# Allegro board hdk2_0-hmd-2-pvt-l8-0526p1530.brd (continued)
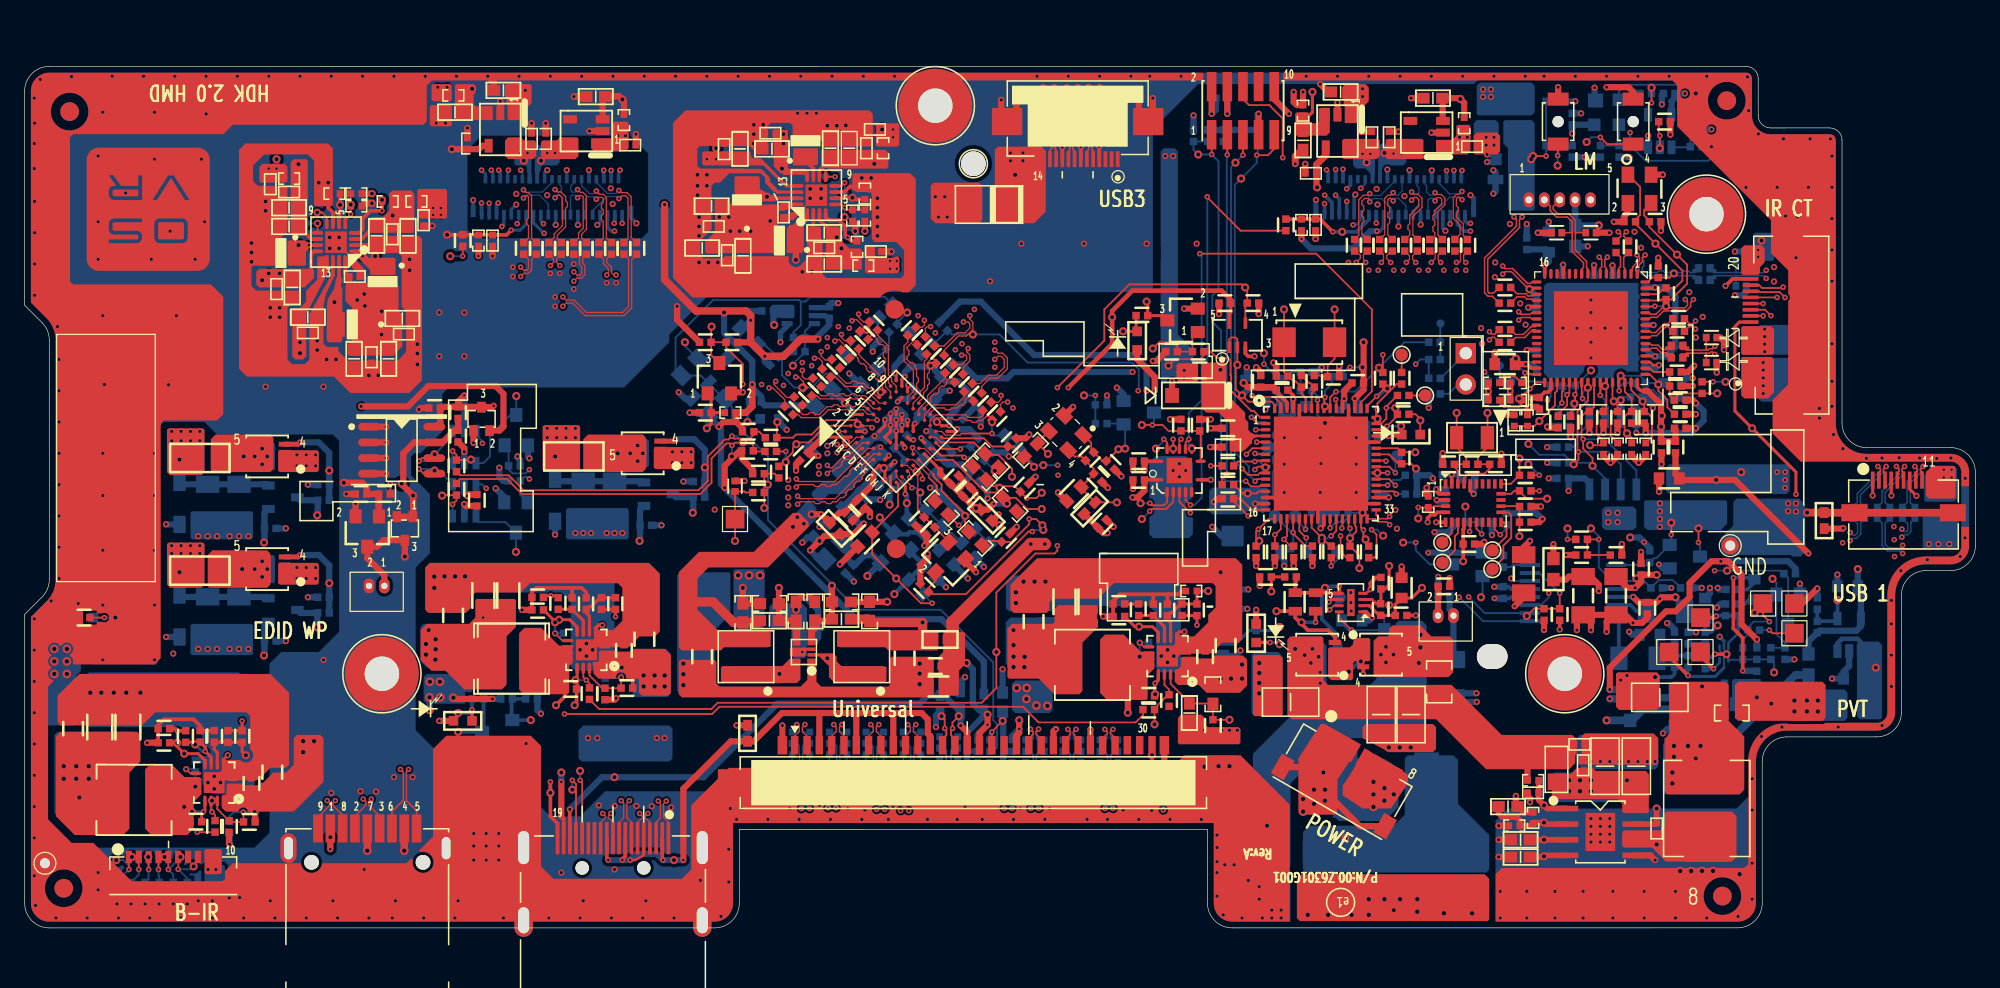
[diagram p0: board, top side]
## Routing (per net, layer and track width the routed paths; a pad name or vN(x,y) marks a point on that pad's centre or on a via; arc(x,y) is an arc through that point) (continued)
  BOTTOM w0.127: R637.2 85.38,14.34 85.12,14.09 85.12,13.34 85.25,13.21 85.25,12.83 85.12,12.71 85.12,12.32 85.25,12.2 85.25,11.82 85.12,11.69 85.12,11.31 85.47,10.97 85.82,10.97 v2(86.02,11.17)
SSTXP_C_UP_A: length 3
  TOP w0.127: v2(85.33,16.12) 85.12,15.92 85.12,15.72 85.5,15.35 J1.24
  BOTTOM w0.127: v2(85.33,16.12) 85.12,15.92 85.12,15.39 85.25,15.26 R616.1
SSTXP_C_UP_B: length 67.2
  TOP w0.127: v2(24.56,10.33) 24.76,10.13 24.76,9.95 23.81,9 J4.9
  L6_IN3 w0.117: v2(24.56,10.33) 24.76,10.13 24.76,9.84 25.16,9.44 31.98,9.44 33.63,11.09 56.03,11.09 56.74,10.38 81.2,10.38 82.42,11.6 84.3,11.6 85.12,12.42 85.12,12.75 85.24,12.87 v2(85.72,12.87)
  BOTTOM w0.127: R637.1 v2(85.72,12.87)
SWIRE_COM_L: length 25.9
  TOP w0.152: U52.9 23.77,57.19 v3(23.77,57.19)
  L3_IN1 w0.152: v3(23.77,57.19) 22.98,57.98 22.98,58.59 23.24,58.84 24.13,58.84 25.52,57.45 31.92,57.45 32.94,56.43 36.19,56.43 37.72,57.96 38.73,57.96 39.24,58.46 39.24,60.5 v2(40.26,61.51)
  BOTTOM w0.152: v2(40.26,61.51) 40.4,61.37 J20.12 ; TP50.1 v3(23.77,57.19)
SWIRE_COM_R: length 48.6
  TOP w0.152: U62.9 v2(65.78,60.98)
  L3_IN1 w0.152: v2(65.78,60.98) 66.64,60.98 67.38,60.24 69.62,60.24 72.79,57.07 101.57,57.07 101.93,57.42 107.01,57.42 108.44,58.84 v2(108.44,60.04)
  BOTTOM w0.152: v2(65.78,60.98) 65.78,60.98 TP110.1 ; v2(108.44,60.04) 108.8,60.4 J71.12
SYNC: length 93.5
  TOP w0.254: v2(143.76,35.2) 143.76,37 v1(140.2,40.56) 138.81,41.95 138.81,48.81 139.18,49.18 J68.11
  L4_IN2 w0.254: v2(92.41,9.57) 94.32,11.47 98.55,11.47 99.44,12.36 105.79,12.36 108.78,15.36 114.47,15.36 115.82,14.01 130.43,14.01 132.97,16.55 140.1,16.55 146.02,22.47 146.02,32.94 v2(143.76,35.2)
  BOTTOM w0.254: R1004.2 92.4,11.35 92.41,11.33 C1000.1 v2(92.41,9.57)
TEST: length 4.4
  TOP w0.152: R524.2 133.32,42.27 133.32,42.87 132.58,43.6 v1(132.58,44.11) 132.58,44.24 131.89,44.93 U46.49
TMDS1_CLK+: length 56.1
  TOP w0.104: U57.C1 67.41,39.38 66.8,38.78 66.14,38.78 v2(65.94,38.58)
  L3_IN1 w0.097: v2(71.09,9.51) 71.29,9.72 71.29,9.9 71.52,10.13 75,10.13 76.47,11.6 77.51,11.6 78.99,13.08 78.99,17.57 77.59,18.97 77.59,20.61 77.37,20.83 76.78,20.83 76.45,21.16 76.45,21.64 76.78,21.97 77.41,21.97 77.59,22.15 77.59,22.41 77.41,22.6 76.78,22.6 76.45,22.93 76.45,23.4 76.78,23.74 77.43,23.74 77.62,23.92 77.62,24.18 77.43,24.37 76.78,24.37 76.45,24.7 76.45,25.17 76.78,25.5 77.39,25.5 77.59,25.71 77.59,26 77.39,26.21 76.3,26.21 75.56,26.94 75.56,29.53 71.72,33.38 71.5,33.38 71.29,33.58 71.29,33.8 71.09,34.01 70.86,34.01 70.66,34.21 70.66,34.44 70.45,34.64 70.23,34.64 70.03,34.84 70.03,35.07 69.53,35.57 69.31,35.57 69.1,35.77 69.1,35.99 68.9,36.2 68.67,36.2 68.47,36.4 68.47,36.63 68.26,36.83 68.04,36.83 67.84,37.04 67.84,37.26 67.63,37.46 67.41,37.46 67.2,37.67 67.2,37.89 67,38.1 66.78,38.1 66.57,38.3 66.57,38.52 66.37,38.73 66.09,38.73 v2(65.94,38.58)
  BOTTOM w0.102: U6.2 71.09,11.04 71.09,11.03 ; U6.9 71.09,11.91 71.09,11.91
  BOTTOM w0.104: v2(71.09,9.51) 71.27,9.69 71.27,10.33 71.09,10.5 71.09,12.39 71.19,12.49 71.6,12.9 71.9,13.21 71.9,14.67 71.6,14.98 R625.1
TMDS1_CLK+_A: length 3.1
  TOP w0.104: v2(71.67,16.51) 71.67,16.5 71.87,16.3 71.87,15.93 71.5,15.56 J1.10
  BOTTOM w0.104: R606.1 71.79,15.89 71.89,16 71.89,16.28 v2(71.67,16.51)
TMDS1_CLK+_B: length 35.8
  TOP w0.104: J28.10 47.75,8.58 47.38,8.95 47.38,9.09 v2(47.58,9.29)
  L3_IN1 w0.097: v2(47.58,9.29) 47.38,9.49 47.38,10.28 47.53,10.44 47.53,10.73 47.38,10.89 47.38,11.48 47.58,11.69 47.8,11.69 48.01,11.89 48.01,12.11 48.21,12.32 48.44,12.32 48.64,12.52 48.64,12.75 50.64,14.75 52.29,14.75 54.73,17.19 69.47,17.19 70.03,16.62 70.03,16.4 70.24,16.19 70.46,16.19 70.66,15.99 70.66,15.77 70.87,15.56 71.09,15.56 71.3,15.36 71.3,15.13 71.5,14.93 71.72,14.93 71.93,14.72 71.93,13.61 71.7,13.38 v2(71.31,13.38)
  BOTTOM w0.104: v2(71.31,13.38) R625.2
TMDS1_CLK-: length 56.1
  TOP w0.104: U57.C2 67.51,39.84 66.7,39.03 66.14,39.03 v2(65.94,39.24)
  L3_IN1 w0.097: v2(65.94,39.24) 66.19,38.98 66.47,38.98 75.82,29.64 75.82,27.05 76.4,26.46 77.49,26.46 77.85,26.11 77.85,25.6 77.49,25.25 76.89,25.25 76.7,25.07 76.7,24.81 76.89,24.62 77.54,24.62 77.87,24.29 77.87,23.82 77.54,23.48 76.89,23.48 76.7,23.3 76.7,23.04 76.89,22.85 77.51,22.85 77.85,22.52 77.85,22.05 77.51,21.71 76.89,21.71 76.7,21.53 76.7,21.27 76.89,21.09 77.48,21.09 77.85,20.71 77.85,19.07 79.24,17.68 79.24,12.97 77.62,11.35 76.58,11.35 75.1,9.87 71.63,9.87 71.55,9.79 71.55,9.72 v2(71.75,9.51)
  BOTTOM w0.102: 71.35,11.04 71.35,11.04 U6.1 ; 71.35,11.92 71.36,11.91 U6.10
  BOTTOM w0.104: v2(71.75,9.51) 71.52,9.74 71.52,10.43 71.35,10.61 71.35,12.29 71.8,12.74 71.9,12.84 72.16,13.1 72.16,14.67 72.46,14.98 R607.2
TMDS1_CLK-_A: length 3.1
  TOP w0.104: v2(72.33,16.51) 72.12,16.3 72.12,15.93 72.5,15.56 J1.11
  BOTTOM w0.104: R607.1 72.25,15.89 72.15,16 72.15,16.32 v2(72.33,16.51)
TMDS1_CLK-_B: length 35.8
  TOP w0.104: J28.12 46.75,8.57 47.12,8.94 47.12,9.09 v2(46.92,9.29)
  L3_IN1 w0.097: v2(72.73,13.38) 72.39,13.38 72.18,13.58 72.18,14.83 69.57,17.44 54.63,17.44 52.19,15 50.54,15 47.12,11.59 47.12,9.49 v2(46.92,9.29)
  BOTTOM w0.104: v2(72.73,13.38) R626.2
TMDS1_DATA0+: length 56
  TOP w0.104: U57.D1 67.89,38.92 66.98,38.02 66.54,38.02 66.32,37.8 66.32,37.58 66.1,37.36 65.89,37.36 65.62,37.09 65.35,37.09 v2(65.15,36.89)
  L3_IN1 w0.097: v2(65.15,36.89) 65.35,37.09 65.69,37.09 65.9,36.89 65.9,36.66 66.1,36.46 66.32,36.46 66.53,36.25 66.53,36.03 66.73,35.83 66.96,35.83 67.16,35.62 67.16,35.4 67.37,35.19 67.59,35.19 67.79,34.99 67.79,34.77 68,34.56 68.22,34.56 68.43,34.36 68.43,34.13 68.63,33.93 68.85,33.93 69.35,33.43 69.35,33.21 69.55,33.01 69.78,33.01 70.36,32.42 70.36,32.16 69.72,31.52 69.73,31.05 70.06,30.71 70.53,30.71 70.99,31.17 71.25,31.17 71.44,30.99 71.44,30.73 70.91,30.2 70.91,29.73 71.25,29.4 71.72,29.4 72.24,29.93 72.5,29.93 72.68,29.75 72.68,29.49 72.22,29.03 72.22,28.53 72.57,28.18 73.07,28.18 73.63,28.74 73.89,28.74 74.08,28.55 74.08,28.28 73.63,27.83 73.63,27.27 75.5,25.4 75.5,19.31 77.29,17.52 77.29,13.84 74.44,10.99 70.02,10.99 69.39,10.36 69.39,9.86 v2(69.14,9.62)
  BOTTOM w0.102: U6.6 69.59,11.91 69.59,11.91 ; 69.59,11.03 69.59,11.04 U6.5
  BOTTOM w0.104: v2(69.14,9.62) 69.35,9.82 69.35,10.31 69.59,10.55 69.59,12.39 68.88,13.11 68.88,14.7 68.68,14.9 68.6,14.98 R623.1
TMDS1_DATA0+_A: length 3.1
  TOP w0.104: J1.7 68.5,15.56 68.87,15.93 68.87,16.3 68.67,16.5 v2(68.67,16.51)
  BOTTOM w0.104: v2(68.67,16.51) 68.87,16.3 68.87,16 68.76,15.89 R604.1
TMDS1_DATA0+_B: length 35.8
  TOP w0.104: v2(49.08,10.33) 48.88,10.13 48.88,8.94 49.25,8.57 J28.7
  L3_IN1 w0.097: v2(68.28,13.35) 68.68,13.35 68.83,13.51 68.83,14.12 69.08,14.37 70.22,14.37 70.32,14.46 70.32,14.9 70.22,15 69.08,15 68.83,15.24 68.83,15.56 68.52,15.87 64.97,15.87 64.66,16.17 64.26,16.17 63.86,15.76 59.68,15.76 59.44,16.01 59.44,16.23 59.34,16.33 58.9,16.33 58.81,16.23 58.81,15.57 58.39,15.16 57.07,15.16 56.54,15.69 56.54,16.23 56.44,16.33 56.01,16.33 55.91,16.23 55.91,15.7 55.62,15.41 55.07,15.41 54.91,15.25 54.62,15.25 54.46,15.41 54.17,15.41 53.92,15.15 53.92,14.93 53.71,14.73 53.49,14.73 53.29,14.52 53.29,14.3 53.08,14.09 52.86,14.09 52.65,13.89 51.94,13.89 51.41,13.35 51.41,13.13 51.2,12.93 50.98,12.93 50.77,12.72 50.77,12.5 50.57,12.29 50.35,12.29 50.14,12.09 50.14,11.86 49.94,11.66 49.71,11.66 49.51,11.46 49.51,11.23 49.3,11.03 49.08,11.03 48.85,10.8 48.85,10.56 v2(49.08,10.33)
  BOTTOM w0.104: v2(68.28,13.35) R623.2
TMDS1_DATA0-: length 56.1
  TOP w0.104: v2(65.15,37.55) 65.35,37.34 65.51,37.34 66.44,38.27 66.87,38.27 67.99,39.38 U57.D2
  L3_IN1 w0.097: v2(69.8,9.62) 69.64,9.78 69.64,10.25 70.13,10.74 74.55,10.74 77.54,13.73 77.54,17.62 75.75,19.41 75.75,25.51 73.89,27.37 73.89,27.73 74.34,28.18 74.34,28.65 74,28.99 73.52,28.99 72.96,28.43 72.68,28.43 72.47,28.64 72.47,28.93 72.93,29.39 72.93,29.85 72.6,30.18 72.14,30.18 71.61,29.65 71.35,29.65 71.17,29.84 71.17,30.1 71.69,30.62 71.69,31.09 71.36,31.43 70.88,31.43 70.43,30.97 70.16,30.97 69.98,31.15 69.98,31.41 70.62,32.05 70.62,32.53 65.8,37.34 65.35,37.34 v2(65.15,37.55)
  BOTTOM w0.102: 69.85,11.91 69.85,11.91 U6.7 ; 69.85,11.03 69.85,11.04 U6.4
  BOTTOM w0.104: R605.2 69.44,14.98 69.13,14.67 69.13,13.21 69.85,12.5 69.85,10.45 69.6,10.2 69.6,9.82 v2(69.8,9.62)
TMDS1_DATA0-_A: length 3.1
  TOP w0.104: v2(69.33,16.51) 69.33,16.5 69.12,16.3 69.12,15.93 69.5,15.56 J1.8
  BOTTOM w0.104: R605.1 69.23,15.89 69.12,16 69.12,16.3 v2(69.33,16.51)
TMDS1_DATA0-_B: length 35.8
  TOP w0.104: v2(48.42,10.33) 48.62,10.13 48.62,8.94 48.25,8.57 J28.9
  L3_IN1 w0.097: v2(69.71,13.35) 69.21,13.35 69.08,13.48 69.08,14.02 69.18,14.11 70.32,14.11 70.57,14.36 70.57,15.01 70.32,15.25 69.18,15.25 69.08,15.35 69.08,15.66 68.63,16.12 65.07,16.12 64.77,16.43 64.16,16.43 63.75,16.02 59.79,16.02 59.69,16.11 59.69,16.34 59.45,16.58 58.8,16.58 58.55,16.34 58.55,15.67 58.29,15.41 57.18,15.41 56.8,15.79 56.8,16.34 56.55,16.58 55.9,16.58 55.66,16.34 55.66,15.81 55.52,15.66 54.07,15.66 52.55,14.14 51.84,14.14 48.6,10.9 48.6,10.51 v2(48.42,10.33)
  BOTTOM w0.104: v2(69.71,13.35) R624.2
TMDS1_DATA1+: length 56.1
  TOP w0.104: v2(62.63,35.78) 62.84,35.99 64.01,35.99 64.16,35.84 64.47,35.84 64.62,35.99 64.94,35.99 65.09,35.84 65.4,35.84 65.55,35.99 65.86,35.99 66.54,36.66 66.75,36.66 66.97,36.88 66.97,37.1 67.19,37.32 67.4,37.32 67.62,37.54 67.62,37.75 68.1,38.23 68.2,38.23 U57.E1
  L3_IN1 w0.097: v2(62.63,35.78) 62.86,36.01 63.13,36.01 63.28,35.85 63.57,35.85 63.73,36.01 64.36,36.01 67.18,33.19 67.18,31.79 74.42,24.55 74.42,18.97 76.4,16.99 76.4,15.23 74.93,13.76 74.93,12.87 73.91,11.85 66.95,11.85 66.67,11.57 66.44,11.57 66.24,11.37 66.24,11.15 66.03,10.94 65.81,10.94 65.61,10.74 65.61,10.51 65.4,10.31 65.4,9.95 v2(65.2,9.74)
  BOTTOM w0.102: U8.2 65.12,11.04 65.13,11.02 ; 65.13,11.91 65.13,11.91 U8.9
  BOTTOM w0.104: v2(65.2,9.74) 65.43,9.97 65.43,10.19 65.13,10.49 65.13,12.45 65.73,13.05 65.91,13.23 65.91,14.75 65.68,14.98 R602.2
TMDS1_DATA1+_A: length 3.1
  TOP w0.104: v2(65.67,16.51) 65.87,16.3 65.87,15.93 65.5,15.56 J1.4
  BOTTOM w0.104: R602.1 65.79,15.89 65.9,16 65.9,16.28 v2(65.67,16.51)
TMDS1_DATA1+_B: length 35.8
  TOP w0.104: J28.4 50.75,8.57 50.38,8.94 50.38,9.09 v2(50.58,9.29)
  L3_IN1 w0.097: v2(50.58,9.29) 50.42,9.45 50.42,9.97 50.57,10.12 50.57,10.41 50.42,10.57 50.42,10.86 50.62,11.07 50.84,11.07 51.05,11.27 51.05,11.49 51.25,11.7 51.48,11.7 51.68,11.9 51.68,12.13 51.89,12.33 52.11,12.33 52.31,12.53 52.31,12.76 52.59,13.03 53.88,13.03 54.23,13.38 54.23,13.95 54.42,14.14 54.68,14.14 54.87,13.95 54.87,13.12 55.12,12.87 55.77,12.87 56.01,13.12 56.01,14.2 56.11,14.3 56.54,14.3 56.64,14.2 56.64,13.2 56.94,12.9 57.53,12.9 57.78,13.14 57.78,14.2 57.88,14.3 58.31,14.3 58.41,14.2 58.41,13.24 58.65,13 59.3,13 59.55,13.24 59.55,14.76 59.69,14.91 62.91,14.91 63.06,14.75 63.35,14.75 63.51,14.91 63.8,14.91 63.96,14.75 64.25,14.75 64.4,14.91 64.69,14.91 64.85,14.75 65.14,14.75 65.3,14.91 67.76,14.91 67.89,14.78 67.89,14.42 67.74,14.27 66.27,14.27 65.87,13.87 65.87,13.46 65.75,13.34 v2(65.31,13.34)
  BOTTOM w0.104: v2(65.31,13.34) R621.2
TMDS1_DATA1-: length 56.1
  TOP w0.104: v2(62.63,36.44) 62.84,36.24 65.75,36.24 68.23,38.72 68.24,38.72 68.44,38.92 U57.E2
  L3_IN1 w0.097: v2(62.63,36.44) 62.81,36.26 64.47,36.26 67.43,33.3 67.43,31.9 74.67,24.66 74.67,19.07 76.65,17.09 76.65,15.13 75.18,13.65 75.18,12.77 74.02,11.6 67.05,11.6 65.66,10.2 65.66,9.95 v2(65.86,9.74)
  BOTTOM w0.102: U8.1 65.39,11.04 65.39,11.04 ; U8.10 65.39,11.91 65.39,11.92
  BOTTOM w0.104: R603.2 66.39,14.98 66.16,14.75 66.16,13.12 65.98,12.95 65.39,12.35 65.39,10.59 65.68,10.3 65.68,9.92 v2(65.86,9.74)
TMDS1_DATA1-_A: length 3.1
  TOP w0.104: J1.5 66.5,15.56 66.12,15.93 66.12,16.3 66.33,16.5 v2(66.33,16.51)
  BOTTOM w0.104: R603.1 66.25,15.89 66.15,16 66.15,16.33 v2(66.33,16.51)
TMDS1_DATA1-_B: length 35.8
  TOP w0.104: J28.6 49.75,8.57 50.12,8.94 50.12,9.09 v2(49.92,9.29)
  L3_IN1 w0.097: v2(49.92,9.29) 50.16,9.53 50.16,10.97 52.48,13.28 53.77,13.28 53.97,13.48 53.97,14.06 54.31,14.39 54.79,14.39 55.13,14.06 55.13,13.22 55.22,13.12 55.66,13.12 55.76,13.22 55.76,14.31 56,14.55 56.65,14.55 56.89,14.31 56.89,13.3 57.05,13.15 57.43,13.15 57.52,13.25 57.52,14.31 57.77,14.55 58.42,14.55 58.66,14.31 58.66,13.35 58.76,13.25 59.2,13.25 59.29,13.35 59.29,14.87 59.58,15.16 67.87,15.16 68.14,14.88 68.14,14.31 67.85,14.01 66.37,14.01 66.13,13.77 66.13,13.46 66.25,13.34 v2(66.73,13.34)
  BOTTOM w0.104: v2(66.73,13.34) R622.2
TMDS1_DATA2+: length 56.1
  TOP w0.104: U57.F1 68.8,38 68.2,37.4 68.2,36.9 67.97,36.67 67.97,36.46 67.75,36.24 67.54,36.24 67.32,36.02 67.32,35.81 67.1,35.59 66.89,35.59 66.67,35.37 66.67,35.15 66.45,34.93 66.23,34.93 65.89,34.59 65.58,34.59 65.43,34.44 65.12,34.44 64.97,34.59 64.65,34.59 64.5,34.44 64.19,34.44 64.04,34.59 62.94,34.59 v2(62.73,34.39)
  L3_IN1 w0.097: v2(62.73,34.39) 62.99,34.64 63.23,34.64 63.38,34.48 63.67,34.48 63.83,34.64 64.46,34.64 65.15,33.95 65.15,33.73 65.35,33.52 65.58,33.52 66.16,32.94 66.16,31.54 73.28,24.43 73.28,12.98 73.02,12.72 63.56,12.72 63.27,12.42 63.27,11.83 63.85,11.25 63.85,11.02 63.27,10.44 63.27,9.91 v2(63.04,9.68)
  BOTTOM w0.102: 63.62,11.91 63.62,11.91 U8.6 ; U8.5 63.62,11.04 63.62,11.04
  BOTTOM w0.104: v2(63.04,9.68) 63.27,9.91 63.27,10.33 63.62,10.69 63.62,12.38 63.19,12.82 62.89,13.12 62.89,14.75 62.66,14.98 R619.1
TMDS1_DATA2+_A: length 3.1
  TOP w0.104: J1.1 62.5,15.56 62.87,15.93 62.87,16.3 v2(62.67,16.51)
  BOTTOM w0.104: v2(62.67,16.51) 62.87,16.3 62.87,16 62.77,15.89 R600.1
TMDS1_DATA2+_B: length 35.8
  TOP w0.104: J28.1 52.25,8.57 51.85,8.97 51.85,10.08 v2(52.08,10.31)
  L3_IN1 w0.097: v2(52.08,10.31) 51.84,10.55 51.84,10.76 52.07,10.99 52.29,10.99 52.5,11.19 52.5,11.42 53.06,11.98 53.35,11.98 53.51,11.82 53.8,11.82 53.96,11.98 59.72,11.98 59.81,11.89 59.81,11.47 59.72,11.37 54.67,11.37 54.35,11.05 54.35,10.53 54.63,10.25 58.83,10.25 58.99,10.1 59.28,10.1 59.44,10.25 59.73,10.25 59.88,10.1 60.17,10.1 60.33,10.25 60.62,10.25 60.78,10.1 61.07,10.1 61.23,10.25 61.51,10.25 61.97,10.71 61.97,11.47 62.13,11.63 62.13,11.92 61.97,12.07 61.97,12.36 61.59,12.74 60.81,12.74 60.55,13 60.55,13.79 60.65,13.89 62.76,13.89 62.86,13.79 62.86,13.51 62.73,13.38 v2(62.28,13.38)
  BOTTOM w0.104: v2(62.28,13.38) 62.29,13.39 R619.2
TMDS1_DATA2-: length 56.1
  TOP w0.104: v2(62.73,35.05) 62.94,34.84 62.94,34.84 65.78,34.84 67.94,37 67.94,37.51 68.9,38.46 U57.F2
  L3_IN1 w0.097: v2(63.7,9.68) 63.52,9.86 63.52,10.33 64.11,10.91 64.11,11.35 63.52,11.93 63.52,12.32 63.67,12.46 73.12,12.46 73.53,12.87 73.53,24.53 66.42,31.65 66.42,33.04 64.57,34.89 62.89,34.89 v2(62.73,35.05)
  BOTTOM w0.102: U8.7 63.88,11.91 ; 63.88,11.04 63.88,11.04 U8.4
  BOTTOM w0.104: v2(63.7,9.68) 63.52,9.86 63.52,10.23 63.88,10.58 63.88,12.49 63.66,12.71 63.66,12.71 63.14,13.23 63.14,14.75 63.37,14.98 R601.2
TMDS1_DATA2-_A: length 3.1
  TOP w0.104: v2(63.33,16.51) 63.33,16.5 63.12,16.3 63.12,15.93 63.5,15.56 J1.2
  BOTTOM w0.104: v2(63.33,16.51) 63.13,16.31 63.13,16 63.23,15.89 R601.1
TMDS1_DATA2-_B: length 35.8
  TOP w0.104: v2(51.42,10.31) 51.6,10.13 51.6,8.92 51.25,8.57 J28.3
  L3_IN1 w0.097: v2(51.42,10.31) 51.58,10.47 51.58,10.86 52.96,12.24 59.82,12.24 60.07,11.99 60.07,11.36 59.82,11.12 54.78,11.12 54.61,10.95 54.61,10.64 54.73,10.51 61.41,10.51 61.72,10.82 61.72,12.26 61.49,12.49 60.7,12.49 60.3,12.9 60.3,13.9 60.54,14.14 62.87,14.14 63.12,13.9 63.12,13.51 63.24,13.38 v2(63.7,13.38)
  BOTTOM w0.104: v2(63.7,13.38) 63.71,13.39 R620.2
TMDS1_GND: length 53.1
  TOP w0.203: v2(49.15,5.5) 49.53,5.5 50.19,5.86 50.25,5.92 J28.5
  TOP w0.305: J28.2 51.75,5.57 v2(51.81,5.5) ; J28.11 47.25,5.62 v2(47.37,5.5) ; J28.8 48.75,5.83 48.51,5.6 v2(48.51,5.5)
  TOP w0.508: 70.48,17.44 72.79,17.44 73.3,16.93 73.3,15.79 73.5,15.59 J1.12 ; 70.48,17.44 67.56,17.44 ; 70.48,17.44 70.5,17.43 J1.9 ; v2(53.46,5.5) 53.46,11.3 57.31,15.14 FB24.1 59.16,15.14 61.46,17.44 64.51,17.44 ; 64.51,17.44 67.56,17.44 ; 64.51,17.44 64.5,17.43 J1.3 ; 67.56,17.44 67.5,17.38 J1.6
  BOTTOM w0.508: v2(47.37,5.5) v2(48.51,5.5) v2(49.15,5.5) 49.65,6.01 51.3,6.01 v2(51.81,5.5) v1(52.7,5.5) v2(53.46,5.5)
UDA1334_VDDA: length 15.4
  TOP w0.508: v1(133.98,26.84) 132.84,26.84 v4(132.71,26.71) 132.42,26.42 C39.2 131,26.42 v4(130.55,26.87) ; FB9.2 125.09,28.28 125.33,28.52 C45.2 127.1,28.52 127.76,27.86 v4(127.76,27.35)
  L6_IN3 w0.508: v4(127.76,27.35) 128.9,26.21 132.2,26.21 v4(132.71,26.71)
  BOTTOM w0.305: U36.13 129.18,26.87 v4(130.55,26.87)
USB0_HUB0_RESET_R: length 8.4
  TOP w0.152: U46.50 131.9,45.43 132.2,45.13 R350.1 C303.2 133.51,43.22 R341.1 134.11,43.06 134.11,43.22 134.27,43.39 R336.2 v1(137.37,43.39)
USB0_HUB_XTAL1: length 14.2
  TOP w0.152: U46.62 132.54,51.43 133.05,51.95 R525.2 133.94,51.95 134.54,52.55 134.54,53.36 v1(132.36,55.54) 130.74,57.16 C611.1 130.74,57.51 131.11,57.88 131.11,60.15 Y6.1
USB0_HUB_XTAL2: length 12.2
  TOP w0.152: U46.61 132.76,50.93 132.84,51.01 R525.1 133.64,51.01 134.92,52.29 134.92,53.84 v1(134.11,54.65) 131.86,56.9 C613.1 131.86,57.41 131.44,57.83 131.44,58.27 Y6.3
USB3_CON1_PWR:
  vias: v1(139.32,37) v2(142.24,37) v2(142.87,37) v2(142.87,36.37) v2(142.87,35.73) v2(155.75,37.2) v2(155.75,36.56) v2(156.39,37.2) v2(156.39,36.56)
USB-GND: length 12
  TOP w0.635: 156.64,33.7 J101.S1 J101.S2 146.06,33.7 FB62.1 v1(144.66,33.71)
USB_DM_UP: length 96.8
  TOP w0.127: 136.48,46.91 136.48,46.91 ESD14.2 ; 136.48,46.91 134.88,46.91 L21.1 134.58,47.21 R517.2 ; 136.48,46.91 136.64,46.91 136.74,47.01 136.98,47.01 v2(137.18,47.21)
  L6_IN3 w0.117: v2(81.66,9.7) 81.86,9.9 81.86,10.15 82.42,10.71 84.32,10.71 85.85,12.24 98.68,12.24 103.7,17.26 127.96,17.26 135.37,24.68 137.43,24.68 139.66,26.91 139.66,35.77 136.27,39.16 136.27,46.77 136.58,47.09 137.06,47.09 v2(137.18,47.21)
  BOTTOM w0.127: v2(81.66,9.7) 81.86,9.9 81.86,14.06 81.58,14.34 R632.1
USB_DM_UP_A: length 3.1
  TOP w0.127: J1.20 81.5,15.38 81.84,15.72 81.84,15.94 v2(81.63,16.14)
  BOTTOM w0.127: R613.1 81.74,15.26 81.87,15.39 81.87,15.9 v2(81.63,16.14)
USB_DM_UP_B: length 67.2
  TOP w0.127: v2(27.48,10.46) 27.68,10.25 27.68,9.95 26.81,9.08 J4.2
  L6_IN3 w0.117: v2(81.25,12.87) 81.63,12.87 81.78,12.73 81.78,12.58 81.02,11.83 56.92,11.83 56.52,12.23 53.24,12.23 53.12,12.34 53.12,12.61 52.86,12.87 52.23,12.87 51.96,12.61 51.96,12.34 51.85,12.23 51.43,12.23 51.31,12.34 51.31,12.61 51.05,12.87 50.42,12.87 50.16,12.61 50.16,12.34 50.04,12.23 49.62,12.23 49.51,12.34 49.51,12.61 49.24,12.87 48.61,12.87 48.35,12.61 48.35,12.34 48.23,12.23 47.81,12.23 47.7,12.34 47.7,12.61 47.43,12.87 46.88,12.87 46.24,12.23 45.85,12.23 45.21,12.87 40.75,12.87 40.49,12.61 40.49,12.34 40.37,12.23 39.95,12.23 39.84,12.34 39.84,12.61 39.57,12.87 38.94,12.87 38.68,12.61 38.68,12.34 38.56,12.23 38.14,12.23 38.03,12.34 38.03,12.61 37.76,12.87 37.14,12.87 36.87,12.61 36.87,12.34 36.75,12.23 36.34,12.23 36.22,12.34 36.22,12.61 35.95,12.87 35.33,12.87 35.06,12.61 35.06,12.34 34.94,12.23 34.53,12.23 34.41,12.34 34.41,12.61 34.15,12.87 33.4,12.87 32.31,11.78 29.24,11.78 29.1,11.92 28.75,11.92 28.61,11.78 28.26,11.78 27.71,11.22 27.71,10.69 v2(27.48,10.46)
  BOTTOM w0.127: R632.2 v2(81.25,12.87)
USB_DM_UP_R: length 2.5
  TOP w0.127: U46.54 131.91,47.43 132.04,47.31 132.56,47.31 132.93,46.94 133.37,46.94 L21.2 133.64,47.21 R517.1
USB_DP_UP: length 96.7
  TOP w0.127: 136.48,46.65 136.74,46.65 136.84,46.75 136.98,46.75 v2(137.18,46.55) ; 136.48,46.65 134.88,46.65 L21.4 134.58,46.35 R519.2 ; 136.48,46.65 136.48,46.65 ESD13.2
  L6_IN3 w0.117: v2(82.32,9.7) 82.11,9.9 82.11,10.05 82.52,10.46 82.88,10.46 83.01,10.32 83.36,10.32 83.5,10.46 84.43,10.46 84.68,10.71 84.87,10.71 85.12,10.95 85.12,11.15 85.95,11.98 98.78,11.98 103.81,17.01 128.06,17.01 135.48,24.43 137.54,24.43 139.91,26.81 139.91,35.87 136.52,39.27 136.52,46.67 136.69,46.83 136.9,46.83 v2(137.18,46.55)
  BOTTOM w0.127: R633.1 82.38,14.34 82.11,14.08 82.11,12.95 82.24,12.82 82.24,12.44 82.11,12.31 82.11,11.93 82.24,11.8 82.24,11.42 82.11,11.3 82.11,10.91 82.24,10.79 82.24,10.41 82.11,10.28 82.11,9.9 v2(82.32,9.7)
USB_DP_UP_A: length 3.1
  TOP w0.127: v2(82.29,16.14) 82.09,15.94 82.09,15.74 82.5,15.33 J1.21
  BOTTOM w0.127: v2(82.29,16.14) 82.12,15.97 82.12,15.39 82.25,15.26 R614.1
USB_DP_UP_B: length 67.2
  TOP w0.127: v2(28.14,10.46) 27.94,10.25 27.94,9.95 28.81,9.08 J4.3
  L6_IN3 w0.117: v2(82.74,12.87) 82.24,12.87 82.03,12.66 82.03,12.48 81.13,11.58 56.81,11.58 56.42,11.97 53.13,11.97 52.87,12.24 52.87,12.5 52.75,12.62 52.33,12.62 52.22,12.5 52.22,12.24 51.95,11.97 51.33,11.97 51.06,12.24 51.06,12.5 50.94,12.62 50.53,12.62 50.41,12.5 50.41,12.24 50.14,11.97 49.52,11.97 49.25,12.24 49.25,12.5 49.13,12.62 48.72,12.62 48.6,12.5 48.6,12.24 48.34,11.97 47.71,11.97 47.44,12.24 47.44,12.5 47.33,12.62 46.99,12.62 46.34,11.97 45.75,11.97 45.1,12.62 40.86,12.62 40.74,12.5 40.74,12.24 40.48,11.97 39.85,11.97 39.58,12.24 39.58,12.5 39.47,12.62 39.05,12.62 38.93,12.5 38.93,12.24 38.67,11.97 38.04,11.97 37.77,12.24 37.77,12.5 37.66,12.62 37.24,12.62 37.12,12.5 37.12,12.24 36.86,11.97 36.23,11.97 35.97,12.24 35.97,12.5 35.85,12.62 35.43,12.62 35.32,12.5 35.32,12.24 35.05,11.97 34.42,11.97 34.16,12.24 34.16,12.5 34.04,12.62 33.5,12.62 32.41,11.52 28.37,11.52 27.96,11.12 27.96,10.64 v2(28.14,10.46)
  BOTTOM w0.127: R633.2 v2(82.74,12.87)
USB_DP_UP_R: length 2.5
  TOP w0.127: R519.1 133.64,46.35 L21.3 133.3,46.69 132.82,46.69 132.45,47.06 132.04,47.06 131.91,46.93 U46.53
USB_GND_CON: length 4
  BOTTOM w0.508: J10.4 125.83,58.1 125.85,58.08 FB11.2 v1(127.76,57.03)
USB_HUB2_DM4_F: length 2.6
  TOP w0.127: R516.2 120.99,47.92 121.74,47.92 122.38,48.56 122.59,48.56 U46.25
USB_HUB2_DP4_F: length 2.6
  TOP w0.127: U46.24 122.59,48.81 122.27,48.81 121.64,48.18 120.99,48.18 R518.2
USB_HUB_RST: length 38.3
  TOP w0.152: R336.1 v2(137.03,44.33) ; U12.54 106.45,42.84 v2(106.4,42.89)
  L4_IN2 w0.152: v2(137.03,44.33) 136.23,45.13 124.76,45.13 120.27,49.62 115.8,49.62 109.75,43.58 107.09,43.58 v2(106.4,42.89)
  BOTTOM w0.152: v2(137.03,44.33) v1(138.05,44.33)
USB_OCS1: length 5.7
  TOP w0.152: U46.46 129.87,43.52 130.43,42.97 R542.1 130.26,41.92 129.87,41.52 129.87,40.33 v1(130.04,40.15) 130.43,39.77 R580.1
USB_OCS2: length 5.9
  TOP w0.152: R569.1 132.08,39.87 132.08,41.45 131.61,41.92 R543.1 131.44,42.61 v1(131.31,42.74) 130.39,43.67 130.39,44.26 U46.47
USB_OCS3: length 5.7
  TOP w0.152: R570.1 128.72,39.92 128.72,41.65 128.99,41.92 R544.1 129.28,42.44 v1(128.98,42.74) 128.87,42.85 U46.44
USB_OCS4: length 6.8
  TOP w0.152: U46.43 128.37,42.15 R545.1 127.85,41.92 127.58,41.65 127.58,40.07 128.14,39.52 R571.1 127.96,39.19 v1(127.05,39.19)
USB_SSRXM_DN1: length 47
  TOP w0.127: U46.7 127.87,53.53 128,53.65 128,54.25 v2(127.79,54.45)
  L6_IN3 w0.117: v2(127.79,54.45) 128.01,54.67 128.01,54.91 128.31,55.21 129.36,55.21 131.44,53.13 135.74,53.13 140.63,48.24 140.63,40.16 144.43,36.35 144.43,33.64 147.21,30.85 152.21,30.85 v2(152.42,31.06)
  BOTTOM w0.127: v2(152.42,31.06) 152.21,30.85 151.28,30.85 151,31.14 151,32.86 R732.1
USB_SSRXM_DN1_R: length 5.4
  TOP w0.127: J101.6 152.49,36.98 152.37,37.1 152.37,37.25 v2(152.57,37.46)
  BOTTOM w0.127: v2(152.57,37.46) 152.37,37.25 152.37,36.72 151,35.35 151,34.54 R732.2
USB_SSRXM_DN3: length 55.5
  TOP w0.127: U46.23 122.33,49.43 122.22,49.55 121.46,49.55 v2(121.26,49.35)
  L6_IN3 w0.117: v2(121.26,49.35) 121.03,49.57 120.78,49.57 120.52,49.84 120.52,55.31 119.76,56.07 119.76,64.31 118.94,65.12 93.93,65.12 93.47,65.58 85.72,65.58 84.88,66.41 84.88,67.25 v2(84.65,67.48)
  BOTTOM w0.127: v2(84.65,67.48) 84.86,67.28 84.86,66.74 R738.1
USB_SSRXM_DN3_R: length 3.5
  TOP w0.127: v2(84.63,63.92) 84.83,63.72 84.83,63.15 84.72,63.04 J22.9
  BOTTOM w0.127: R738.2 84.86,65.17 84.86,64.15 v2(84.63,63.92)
USB_SSRXM_UP: length 99.8
  TOP w0.127: v2(134.78,51.01) 134.96,50.83 134.96,50.55 134.74,50.34 132.91,50.34 132.39,49.81 131.97,49.81 131.84,49.93 U46.59
  L6_IN3 w0.117: v2(134.78,51.01) 134.97,50.82 134.97,50.55 135.26,50.26 136.8,50.26 137.22,49.83 137.22,49.64 137.47,49.39 137.66,49.39 139.49,47.56 139.49,39.13 140.48,38.14 140.94,38.14 141.58,37.5 141.58,25.78 137.56,21.76 135.15,21.76 128.87,15.49 105.48,15.49 100.45,10.46 88.16,10.46 87.88,10.18 87.88,9.9 v2(87.68,9.7)
  BOTTOM w0.127: v2(87.68,9.7) 87.88,9.9 87.88,10.28 87.75,10.41 87.75,10.79 87.88,10.91 87.88,11.3 87.75,11.42 87.75,11.8 87.88,11.93 87.88,12.31 87.75,12.44 87.75,12.82 87.88,12.95 87.88,14.04 87.58,14.34 R617.2
